# KiCad board panel.kicad_pcb (continued)
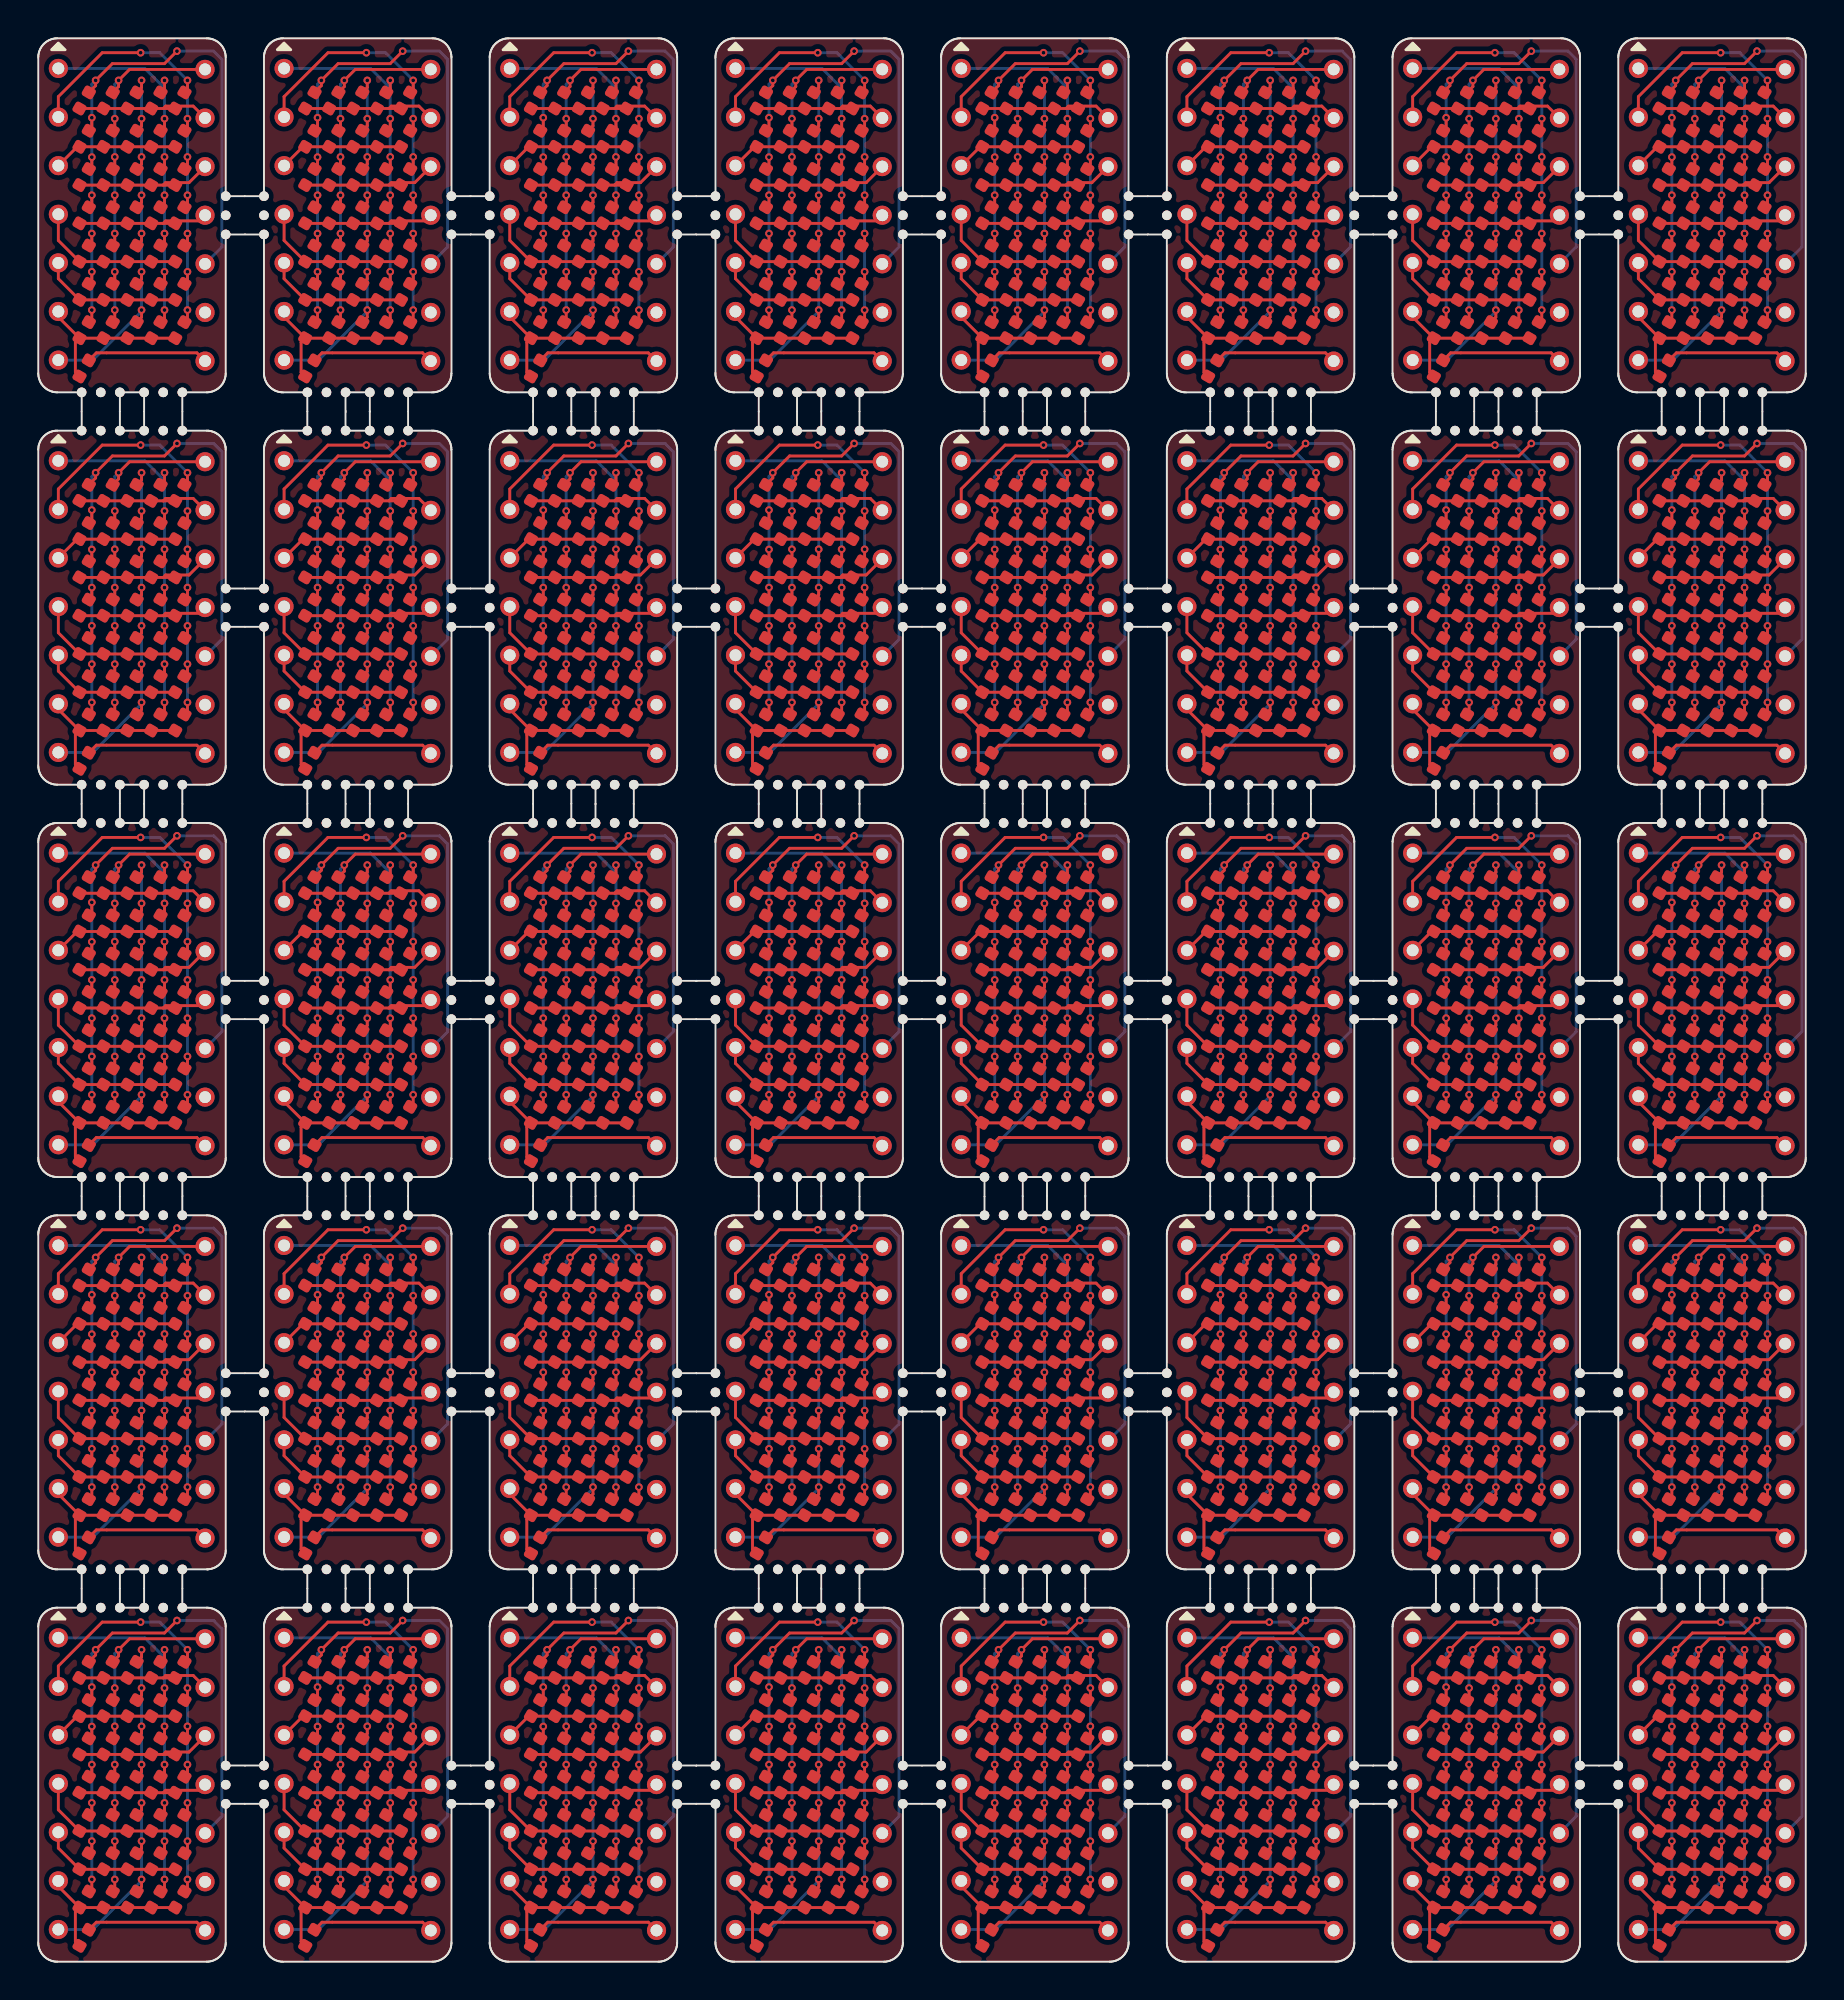
[diagram p0: board, top side]
## Placement (name value [footprint] x y rotation side) (continued)
KiKit_MB_134_3  -  [NPTH]  23.6 30.75 0 top
KiKit_MB_135_1  -  [NPTH]  33.4 30.75 0 top
KiKit_MB_135_2  -  [NPTH]  33.4 29.75 0 top
KiKit_MB_135_3  -  [NPTH]  33.4 28.75 0 top
KiKit_MB_136_1  -  [NPTH]  25.87 39 0 top
KiKit_MB_136_2  -  [NPTH]  26.87 39 0 top
KiKit_MB_136_3  -  [NPTH]  27.87 39 0 top
KiKit_MB_137_1  -  [NPTH]  29.13 39 0 top
KiKit_MB_137_2  -  [NPTH]  30.13 39 0 top
KiKit_MB_137_3  -  [NPTH]  31.13 39 0 top
KiKit_MB_138_1  -  [NPTH]  27.87 20.5 0 top
KiKit_MB_138_2  -  [NPTH]  26.87 20.5 0 top
KiKit_MB_138_3  -  [NPTH]  25.87 20.5 0 top
KiKit_MB_139_1  -  [NPTH]  31.13 20.5 0 top
KiKit_MB_139_2  -  [NPTH]  30.13 20.5 0 top
KiKit_MB_139_3  -  [NPTH]  29.13 20.5 0 top
KiKit_MB_140_1  -  [NPTH]  35.4 28.75 0 top
KiKit_MB_140_2  -  [NPTH]  35.4 29.75 0 top
KiKit_MB_140_3  -  [NPTH]  35.4 30.75 0 top
KiKit_MB_141_1  -  [NPTH]  45.2 30.75 0 top
KiKit_MB_141_2  -  [NPTH]  45.2 29.75 0 top
KiKit_MB_141_3  -  [NPTH]  45.2 28.75 0 top
KiKit_MB_142_1  -  [NPTH]  37.67 39 0 top
KiKit_MB_142_2  -  [NPTH]  38.67 39 0 top
KiKit_MB_142_3  -  [NPTH]  39.67 39 0 top
KiKit_MB_143_1  -  [NPTH]  40.93 39 0 top
KiKit_MB_143_2  -  [NPTH]  41.93 39 0 top
KiKit_MB_143_3  -  [NPTH]  42.93 39 0 top
KiKit_MB_144_1  -  [NPTH]  39.67 20.5 0 top
KiKit_MB_144_2  -  [NPTH]  38.67 20.5 0 top
KiKit_MB_144_3  -  [NPTH]  37.67 20.5 0 top
KiKit_MB_145_1  -  [NPTH]  42.93 20.5 0 top
KiKit_MB_145_2  -  [NPTH]  41.93 20.5 0 top
KiKit_MB_145_3  -  [NPTH]  40.93 20.5 0 top
KiKit_MB_146_1  -  [NPTH]  47.2 28.75 0 top
KiKit_MB_146_2  -  [NPTH]  47.2 29.75 0 top
KiKit_MB_146_3  -  [NPTH]  47.2 30.75 0 top
KiKit_MB_147_1  -  [NPTH]  57 30.75 0 top
KiKit_MB_147_2  -  [NPTH]  57 29.75 0 top
KiKit_MB_147_3  -  [NPTH]  57 28.75 0 top
KiKit_MB_148_1  -  [NPTH]  49.47 39 0 top
KiKit_MB_148_2  -  [NPTH]  50.47 39 0 top
KiKit_MB_148_3  -  [NPTH]  51.47 39 0 top
KiKit_MB_149_1  -  [NPTH]  52.73 39 0 top
KiKit_MB_149_2  -  [NPTH]  53.73 39 0 top
KiKit_MB_149_3  -  [NPTH]  54.73 39 0 top
KiKit_MB_150_1  -  [NPTH]  51.47 20.5 0 top
KiKit_MB_150_2  -  [NPTH]  50.47 20.5 0 top
KiKit_MB_150_3  -  [NPTH]  49.47 20.5 0 top
KiKit_MB_151_1  -  [NPTH]  54.73 20.5 0 top
KiKit_MB_151_2  -  [NPTH]  53.73 20.5 0 top
KiKit_MB_151_3  -  [NPTH]  52.73 20.5 0 top
KiKit_MB_152_1  -  [NPTH]  59 28.75 0 top
KiKit_MB_152_2  -  [NPTH]  59 29.75 0 top
KiKit_MB_152_3  -  [NPTH]  59 30.75 0 top
KiKit_MB_153_1  -  [NPTH]  68.8 30.75 0 top
KiKit_MB_153_2  -  [NPTH]  68.8 29.75 0 top
KiKit_MB_153_3  -  [NPTH]  68.8 28.75 0 top
KiKit_MB_154_1  -  [NPTH]  61.27 39 0 top
KiKit_MB_154_2  -  [NPTH]  62.27 39 0 top
KiKit_MB_154_3  -  [NPTH]  63.27 39 0 top
KiKit_MB_155_1  -  [NPTH]  64.53 39 0 top
KiKit_MB_155_2  -  [NPTH]  65.53 39 0 top
KiKit_MB_155_3  -  [NPTH]  66.53 39 0 top
KiKit_MB_156_1  -  [NPTH]  63.27 20.5 0 top
KiKit_MB_156_2  -  [NPTH]  62.27 20.5 0 top
KiKit_MB_156_3  -  [NPTH]  61.27 20.5 0 top
KiKit_MB_157_1  -  [NPTH]  66.53 20.5 0 top
KiKit_MB_157_2  -  [NPTH]  65.53 20.5 0 top
KiKit_MB_157_3  -  [NPTH]  64.53 20.5 0 top
KiKit_MB_158_1  -  [NPTH]  70.8 28.75 0 top
KiKit_MB_158_2  -  [NPTH]  70.8 29.75 0 top
KiKit_MB_158_3  -  [NPTH]  70.8 30.75 0 top
KiKit_MB_159_1  -  [NPTH]  80.6 30.75 0 top
KiKit_MB_159_2  -  [NPTH]  80.6 29.75 0 top
KiKit_MB_159_3  -  [NPTH]  80.6 28.75 0 top
KiKit_MB_160_1  -  [NPTH]  73.07 39 0 top
KiKit_MB_160_2  -  [NPTH]  74.07 39 0 top
KiKit_MB_160_3  -  [NPTH]  75.07 39 0 top
KiKit_MB_161_1  -  [NPTH]  76.33 39 0 top
KiKit_MB_161_2  -  [NPTH]  77.33 39 0 top
KiKit_MB_161_3  -  [NPTH]  78.33 39 0 top
KiKit_MB_162_1  -  [NPTH]  75.07 20.5 0 top
KiKit_MB_162_2  -  [NPTH]  74.07 20.5 0 top
KiKit_MB_162_3  -  [NPTH]  73.07 20.5 0 top
KiKit_MB_163_1  -  [NPTH]  78.33 20.5 0 top
KiKit_MB_163_2  -  [NPTH]  77.33 20.5 0 top
KiKit_MB_163_3  -  [NPTH]  76.33 20.5 0 top
KiKit_MB_164_1  -  [NPTH]  82.6 28.75 0 top
KiKit_MB_164_2  -  [NPTH]  82.6 29.75 0 top
KiKit_MB_164_3  -  [NPTH]  82.6 30.75 0 top
KiKit_MB_165_1  -  [NPTH]  84.87 39 0 top
KiKit_MB_165_2  -  [NPTH]  85.87 39 0 top
KiKit_MB_165_3  -  [NPTH]  86.87 39 0 top
KiKit_MB_166_1  -  [NPTH]  88.13 39 0 top
KiKit_MB_166_2  -  [NPTH]  89.13 39 0 top
KiKit_MB_166_3  -  [NPTH]  90.13 39 0 top
KiKit_MB_167_1  -  [NPTH]  86.87 20.5 0 top
KiKit_MB_167_2  -  [NPTH]  85.87 20.5 0 top
KiKit_MB_167_3  -  [NPTH]  84.87 20.5 0 top
KiKit_MB_168_1  -  [NPTH]  90.13 20.5 0 top
KiKit_MB_168_2  -  [NPTH]  89.13 20.5 0 top
KiKit_MB_168_3  -  [NPTH]  88.13 20.5 0 top
KiKit_MB_169_1  -  [NPTH]  9.8 10.25 0 top
KiKit_MB_169_2  -  [NPTH]  9.8 9.25 0 top
KiKit_MB_169_3  -  [NPTH]  9.8 8.25 0 top
KiKit_MB_170_1  -  [NPTH]  2.27 18.5 0 top
KiKit_MB_170_2  -  [NPTH]  3.27 18.5 0 top
KiKit_MB_170_3  -  [NPTH]  4.27 18.5 0 top
KiKit_MB_171_1  -  [NPTH]  5.53 18.5 0 top
KiKit_MB_171_2  -  [NPTH]  6.53 18.5 0 top
KiKit_MB_171_3  -  [NPTH]  7.53 18.5 0 top
KiKit_MB_172_1  -  [NPTH]  11.8 8.25 0 top
KiKit_MB_172_2  -  [NPTH]  11.8 9.25 0 top
KiKit_MB_172_3  -  [NPTH]  11.8 10.25 0 top
KiKit_MB_173_1  -  [NPTH]  21.6 10.25 0 top
KiKit_MB_173_2  -  [NPTH]  21.6 9.25 0 top
KiKit_MB_173_3  -  [NPTH]  21.6 8.25 0 top
KiKit_MB_174_1  -  [NPTH]  14.07 18.5 0 top
KiKit_MB_174_2  -  [NPTH]  15.07 18.5 0 top
KiKit_MB_174_3  -  [NPTH]  16.07 18.5 0 top
KiKit_MB_175_1  -  [NPTH]  17.33 18.5 0 top
KiKit_MB_175_2  -  [NPTH]  18.33 18.5 0 top
KiKit_MB_175_3  -  [NPTH]  19.33 18.5 0 top
KiKit_MB_176_1  -  [NPTH]  23.6 8.25 0 top
KiKit_MB_176_2  -  [NPTH]  23.6 9.25 0 top
KiKit_MB_176_3  -  [NPTH]  23.6 10.25 0 top
KiKit_MB_177_1  -  [NPTH]  33.4 10.25 0 top
KiKit_MB_177_2  -  [NPTH]  33.4 9.25 0 top
KiKit_MB_177_3  -  [NPTH]  33.4 8.25 0 top
KiKit_MB_178_1  -  [NPTH]  25.87 18.5 0 top
KiKit_MB_178_2  -  [NPTH]  26.87 18.5 0 top
KiKit_MB_178_3  -  [NPTH]  27.87 18.5 0 top
KiKit_MB_179_1  -  [NPTH]  29.13 18.5 0 top
KiKit_MB_179_2  -  [NPTH]  30.13 18.5 0 top
KiKit_MB_179_3  -  [NPTH]  31.13 18.5 0 top
KiKit_MB_180_1  -  [NPTH]  35.4 8.25 0 top
KiKit_MB_180_2  -  [NPTH]  35.4 9.25 0 top
KiKit_MB_180_3  -  [NPTH]  35.4 10.25 0 top
KiKit_MB_181_1  -  [NPTH]  45.2 10.25 0 top
KiKit_MB_181_2  -  [NPTH]  45.2 9.25 0 top
KiKit_MB_181_3  -  [NPTH]  45.2 8.25 0 top
KiKit_MB_182_1  -  [NPTH]  37.67 18.5 0 top
KiKit_MB_182_2  -  [NPTH]  38.67 18.5 0 top
KiKit_MB_182_3  -  [NPTH]  39.67 18.5 0 top
KiKit_MB_183_1  -  [NPTH]  40.93 18.5 0 top
KiKit_MB_183_2  -  [NPTH]  41.93 18.5 0 top
KiKit_MB_183_3  -  [NPTH]  42.93 18.5 0 top
KiKit_MB_184_1  -  [NPTH]  47.2 8.25 0 top
KiKit_MB_184_2  -  [NPTH]  47.2 9.25 0 top
KiKit_MB_184_3  -  [NPTH]  47.2 10.25 0 top
KiKit_MB_185_1  -  [NPTH]  57 10.25 0 top
KiKit_MB_185_2  -  [NPTH]  57 9.25 0 top
KiKit_MB_185_3  -  [NPTH]  57 8.25 0 top
KiKit_MB_186_1  -  [NPTH]  49.47 18.5 0 top
KiKit_MB_186_2  -  [NPTH]  50.47 18.5 0 top
KiKit_MB_186_3  -  [NPTH]  51.47 18.5 0 top
KiKit_MB_187_1  -  [NPTH]  52.73 18.5 0 top
KiKit_MB_187_2  -  [NPTH]  53.73 18.5 0 top
KiKit_MB_187_3  -  [NPTH]  54.73 18.5 0 top
KiKit_MB_188_1  -  [NPTH]  59 8.25 0 top
KiKit_MB_188_2  -  [NPTH]  59 9.25 0 top
KiKit_MB_188_3  -  [NPTH]  59 10.25 0 top
KiKit_MB_189_1  -  [NPTH]  68.8 10.25 0 top
KiKit_MB_189_2  -  [NPTH]  68.8 9.25 0 top
KiKit_MB_189_3  -  [NPTH]  68.8 8.25 0 top
KiKit_MB_190_1  -  [NPTH]  61.27 18.5 0 top
KiKit_MB_190_2  -  [NPTH]  62.27 18.5 0 top
KiKit_MB_190_3  -  [NPTH]  63.27 18.5 0 top
KiKit_MB_191_1  -  [NPTH]  64.53 18.5 0 top
KiKit_MB_191_2  -  [NPTH]  65.53 18.5 0 top
KiKit_MB_191_3  -  [NPTH]  66.53 18.5 0 top
KiKit_MB_192_1  -  [NPTH]  70.8 8.25 0 top
KiKit_MB_192_2  -  [NPTH]  70.8 9.25 0 top
KiKit_MB_192_3  -  [NPTH]  70.8 10.25 0 top
KiKit_MB_193_1  -  [NPTH]  80.6 10.25 0 top
KiKit_MB_193_2  -  [NPTH]  80.6 9.25 0 top
KiKit_MB_193_3  -  [NPTH]  80.6 8.25 0 top
KiKit_MB_194_1  -  [NPTH]  73.07 18.5 0 top
KiKit_MB_194_2  -  [NPTH]  74.07 18.5 0 top
KiKit_MB_194_3  -  [NPTH]  75.07 18.5 0 top
KiKit_MB_195_1  -  [NPTH]  76.33 18.5 0 top
KiKit_MB_195_2  -  [NPTH]  77.33 18.5 0 top
KiKit_MB_195_3  -  [NPTH]  78.33 18.5 0 top
KiKit_MB_196_1  -  [NPTH]  82.6 8.25 0 top
KiKit_MB_196_2  -  [NPTH]  82.6 9.25 0 top
KiKit_MB_196_3  -  [NPTH]  82.6 10.25 0 top
KiKit_MB_197_1  -  [NPTH]  84.87 18.5 0 top
KiKit_MB_197_2  -  [NPTH]  85.87 18.5 0 top
KiKit_MB_197_3  -  [NPTH]  86.87 18.5 0 top
KiKit_MB_198_1  -  [NPTH]  88.13 18.5 0 top
KiKit_MB_198_2  -  [NPTH]  89.13 18.5 0 top
KiKit_MB_198_3  -  [NPTH]  90.13 18.5 0 top

## Library data of the parts
D1 D1#2-D1#40 D2 D2#2-D2#40 D3 D3#2-D3#40 D4 D4#2-D4#40 D5 D5#2-D5#40 D6 D6#2-D6#40 D7 D7#2-D7#40 D8 D8#2-D8#40 D9 D9#2-D9#40 D10 D10#2-D10#40 D11 D11#2-D11#40 D12 D12#2-D12#40 D13 D13#2-D13#40 D14 D14#2-D14#40 D15 D15#2-D15#40 D16 D16#2-D16#40 D17 D17#2-D17#40 D18 D18#2-D18#40 D19 D19#2-D19#40 D20 D20#2-D20#40 D21 D21#2-D21#40 D22 D22#2-D22#40 D23 D23#2-D23#40 D24 D24#2-D24#40 D25 D25#2-D25#40 D26 D26#2-D26#40 D27 D27#2-D27#40 D28 D28#2-D28#40 D29 D29#2-D29#40 D30 D30#2-D30#40 D31 D31#2-D31#40 D32 D32#2-D32#40 D33 D33#2-D33#40 D34 D34#2-D34#40 D35 D35#2-D35#40 D36 D36#2-D36#40 = -: Description: Light emitting diode
J1 J1#2-J1#40 J2 J2#2-J2#40 = -: Description: Generic connector, single row, 01x07, script generated (kicad-library-utils/schlib/autogen/connector/)

## Footprints (pads in the part's own frame, mm; a bottom-side part is the same pattern mirrored in y, then rotated)
LED_0402_1005Metric
  rrect 0.59x0.64 smd: 1(-0.485,0) 2(0.485,0)
NPTH
  round 0.5 hole 0.5 unplated: (0,0)
PinHeader_1x07_P2.54mm_Vertical
  round 1 hole 0.625: 1(0,0) 2(0,-2.54) 3(0,-5.08) 4(0,-7.62) 5(0,-10.16) 6(0,-12.7) 7(0,-15.24)

## Nets
Board_0-C1: D1#23.2 D2#26.2 D3#26.2 D4#6.2 D5#17.2 D6#30.2 D7#14.2 J2#5.5
Board_0-C2: D9#12.2 D10#34.2 D11#32.2 D12#4.2 D13#13.2 D14#19.2 D15#9.2 J2#5.1
Board_0-C3: D16#3.2 D17#18.2 D18#11.2 D19#35.2 D20#14.2 D21#8.2 D22#31.2 J1#19.7
Board_0-C4: D23#40.2 D24#33.2 D25#33.2 D26#18.2 D27#3.2 D28#21.2 D29#18.2 J1#19.1
Board_0-C5: D30#8.2 D31#9.2 D32#3.2 D33#22.2 D34#37.2 D35#13.2 D36#15.2 J1#19.2
Board_0-DP: D8#5.2 J2#5.7
Board_0-R1: D1#23.1 D9#12.1 D16#3.1 D23#40.1 D30#8.1 J2#5.2
Board_0-R2: D2#26.1 D10#34.1 D17#18.1 D24#33.1 D31#9.1 J1#19.3
Board_0-R3: D3#26.1 D11#32.1 D18#11.1 D25#33.1 D32#3.1 J2#5.3
Board_0-R4: D4#6.1 D12#4.1 D19#35.1 D26#18.1 D33#22.1 J2#5.4
Board_0-R5: D5#17.1 D13#13.1 D20#14.1 D27#3.1 D34#37.1 J1#19.4
Board_0-R6: D6#30.1 D14#19.1 D21#8.1 D28#21.1 D35#13.1 J1#19.5
Board_0-R7: D7#14.1 D8#5.1 D15#9.1 D22#31.1 D29#18.1 D36#15.1 J1#19.6
Board_0-unconnected-(J2-Pin_6-Pad6): J2#5.6
Board_1-C1: D1#35.2 D2#20.2 D3#29.2 D4#13.2 D5#3.2 D6#38.2 D7#13.2 J2#40.5
Board_1-C2: D9#3.2 D10#39.2 D11#27.2 D12#33.2 D13#8.2 D14#22.2 D15#21.2 J2#40.1
Board_1-C3: D16#4.2 D17#6.2 D18#17.2 D19.2 D20#22.2 D21#30.2 D22#25.2 J1#20.7
Board_1-C4: D23#20.2 D24#32.2 D25#16.2 D26#22.2 D27#20.2 D28#25.2 D29#34.2 J1#20.1
Board_1-C5: D30#33.2 D31#8.2 D32#34.2 D33#23.2 D34#7.2 D35#3.2 D36#27.2 J1#20.2
Board_1-DP: D8#13.2 J2#40.7
Board_1-R1: D1#35.1 D9#3.1 D16#4.1 D23#20.1 D30#33.1 J2#40.2
Board_1-R2: D2#20.1 D10#39.1 D17#6.1 D24#32.1 D31#8.1 J1#20.3
Board_1-R3: D3#29.1 D11#27.1 D18#17.1 D25#16.1 D32#34.1 J2#40.3
Board_1-R4: D4#13.1 D12#33.1 D19.1 D26#22.1 D33#23.1 J2#40.4
Board_1-R5: D5#3.1 D13#8.1 D20#22.1 D27#20.1 D34#7.1 J1#20.4
Board_1-R6: D6#38.1 D14#22.1 D21#30.1 D28#25.1 D35#3.1 J1#20.5
Board_1-R7: D7#13.1 D8#13.1 D15#21.1 D22#25.1 D29#34.1 D36#27.1 J1#20.6
Board_1-unconnected-(J2-Pin_6-Pad6): J2#40.6
Board_2-C1: D1#4.2 D2#18.2 D3#2.2 D4#40.2 D5#11.2 D6#26.2 D7#29.2 J2#2.5
Board_2-C2: D9#23.2 D10.2 D11#16.2 D12#28.2 D13#14.2 D14#32.2 D15.2 J2#2.1
Board_2-C3: D16#26.2 D17#13.2 D18#15.2 D19#37.2 D20#8.2 D21#17.2 D22#10.2 J1#23.7
Board_2-C4: D23#35.2 D24#3.2 D25#31.2 D26#16.2 D27#17.2 D28#10.2 D29#21.2 J1#23.1
Board_2-C5: D30#29.2 D31.2 D32#7.2 D33#21.2 D34#40.2 D35#4.2 D36#28.2 J1#23.2
Board_2-DP: D8#17.2 J2#2.7
Board_2-R1: D1#4.1 D9#23.1 D16#26.1 D23#35.1 D30#29.1 J2#2.2
Board_2-R2: D2#18.1 D10.1 D17#13.1 D24#3.1 D31.1 J1#23.3
Board_2-R3: D3#2.1 D11#16.1 D18#15.1 D25#31.1 D32#7.1 J2#2.3
Board_2-R4: D4#40.1 D12#28.1 D19#37.1 D26#16.1 D33#21.1 J2#2.4
Board_2-R5: D5#11.1 D13#14.1 D20#8.1 D27#17.1 D34#40.1 J1#23.4
Board_2-R6: D6#26.1 D14#32.1 D21#17.1 D28#10.1 D35#4.1 J1#23.5
Board_2-R7: D7#29.1 D8#17.1 D15.1 D22#10.1 D29#21.1 D36#28.1 J1#23.6
Board_2-unconnected-(J2-Pin_6-Pad6): J2#2.6
Board_3-C1: D1#15.2 D2#35.2 D3#8.2 D4#23.2 D5#15.2 D6#12.2 D7#3.2 J2#36.5
Board_3-C2: D9#31.2 D10#36.2 D11#7.2 D12#9.2 D13#40.2 D14#37.2 D15#38.2 J2#36.1
Board_3-C3: D16#15.2 D17#14.2 D18#5.2 D19#21.2 D20#11.2 D21#21.2 D22#38.2 J1#31.7
Board_3-C4: D23#27.2 D24#2.2 D25.2 D26#15.2 D27#29.2 D28#35.2 D29#39.2 J1#31.1
Board_3-C5: D30#7.2 D31#26.2 D32#14.2 D33#29.2 D34#33.2 D35#29.2 D36#36.2 J1#31.2
Board_3-DP: D8#3.2 J2#36.7
Board_3-R1: D1#15.1 D9#31.1 D16#15.1 D23#27.1 D30#7.1 J2#36.2
Board_3-R2: D2#35.1 D10#36.1 D17#14.1 D24#2.1 D31#26.1 J1#31.3
Board_3-R3: D3#8.1 D11#7.1 D18#5.1 D25.1 D32#14.1 J2#36.3
Board_3-R4: D4#23.1 D12#9.1 D19#21.1 D26#15.1 D33#29.1 J2#36.4
Board_3-R5: D5#15.1 D13#40.1 D20#11.1 D27#29.1 D34#33.1 J1#31.4
Board_3-R6: D6#12.1 D14#37.1 D21#21.1 D28#35.1 D35#29.1 J1#31.5
Board_3-R7: D7#3.1 D8#3.1 D15#38.1 D22#38.1 D29#39.1 D36#36.1 J1#31.6
Board_3-unconnected-(J2-Pin_6-Pad6): J2#36.6
Board_4-C1: D1#10.2 D2#32.2 D3#18.2 D4#10.2 D5#19.2 D6#9.2 D7#17.2 J2#23.5
Board_4-C2: D9#36.2 D10#8.2 D11#34.2 D12#24.2 D13#19.2 D14#38.2 D15#12.2 J2#23.1
Board_4-C3: D16#33.2 D17#28.2 D18#35.2 D19#11.2 D20#34.2 D21#35.2 D22#36.2 J1#21.7
Board_4-C4: D23#16.2 D24#39.2 D25#21.2 D26#12.2 D27#10.2 D28#5.2 D29#23.2 J1#21.1
Board_4-C5: D30#19.2 D31#21.2 D32#20.2 D33#25.2 D34#18.2 D35#10.2 D36#8.2 J1#21.2
Board_4-DP: D8#39.2 J2#23.7
Board_4-R1: D1#10.1 D9#36.1 D16#33.1 D23#16.1 D30#19.1 J2#23.2
Board_4-R2: D2#32.1 D10#8.1 D17#28.1 D24#39.1 D31#21.1 J1#21.3
Board_4-R3: D3#18.1 D11#34.1 D18#35.1 D25#21.1 D32#20.1 J2#23.3
Board_4-R4: D4#10.1 D12#24.1 D19#11.1 D26#12.1 D33#25.1 J2#23.4
Board_4-R5: D5#19.1 D13#19.1 D20#34.1 D27#10.1 D34#18.1 J1#21.4
Board_4-R6: D6#9.1 D14#38.1 D21#35.1 D28#5.1 D35#10.1 J1#21.5
Board_4-R7: D7#17.1 D8#39.1 D15#12.1 D22#36.1 D29#23.1 D36#8.1 J1#21.6
Board_4-unconnected-(J2-Pin_6-Pad6): J2#23.6
Board_5-C1: D1#14.2 D2#19.2 D3#17.2 D4#27.2 D5#18.2 D6#22.2 D7#6.2 J2#39.5
Board_5-C2: D9.2 D10#33.2 D11#22.2 D12#20.2 D13#33.2 D14#39.2 D15#27.2 J2#39.1
Board_5-C3: D16#40.2 D17#2.2 D18#36.2 D19#27.2 D20#20.2 D21#4.2 D22#11.2 J1#40.7
Board_5-C4: D23#18.2 D24#24.2 D25#12.2 D26#37.2 D27#19.2 D28.2 D29#19.2 J1#40.1
Board_5-C5: D30#16.2 D31#2.2 D32#8.2 D33#9.2 D34#17.2 D35#27.2 D36#38.2 J1#40.2
Board_5-DP: D8#8.2 J2#39.7
Board_5-R1: D1#14.1 D9.1 D16#40.1 D23#18.1 D30#16.1 J2#39.2
Board_5-R2: D2#19.1 D10#33.1 D17#2.1 D24#24.1 D31#2.1 J1#40.3
Board_5-R3: D3#17.1 D11#22.1 D18#36.1 D25#12.1 D32#8.1 J2#39.3
Board_5-R4: D4#27.1 D12#20.1 D19#27.1 D26#37.1 D33#9.1 J2#39.4
Board_5-R5: D5#18.1 D13#33.1 D20#20.1 D27#19.1 D34#17.1 J1#40.4
Board_5-R6: D6#22.1 D14#39.1 D21#4.1 D28.1 D35#27.1 J1#40.5
Board_5-R7: D7#6.1 D8#8.1 D15#27.1 D22#11.1 D29#19.1 D36#38.1 J1#40.6
Board_5-unconnected-(J2-Pin_6-Pad6): J2#39.6
Board_6-C1: D1#12.2 D2#38.2 D3.2 D4#5.2 D5#21.2 D6#31.2 D7#20.2 J2#10.5
Board_6-C2: D9#21.2 D10#35.2 D11#39.2 D12#27.2 D13#21.2 D14#40.2 D15#23.2 J2#10.1
Board_6-C3: D16#28.2 D17#16.2 D18#7.2 D19#31.2 D20#37.2 D21#33.2 D22#18.2 J1#8.7
Board_6-C4: D23#17.2 D24#23.2 D25#18.2 D26#21.2 D27#9.2 D28#23.2 D29#13.2 J1#8.1
Board_6-C5: D30#18.2 D31#18.2 D32#37.2 D33#30.2 D34#31.2 D35#6.2 D36#37.2 J1#8.2
Board_6-DP: D8#37.2 J2#10.7
Board_6-R1: D1#12.1 D9#21.1 D16#28.1 D23#17.1 D30#18.1 J2#10.2
Board_6-R2: D2#38.1 D10#35.1 D17#16.1 D24#23.1 D31#18.1 J1#8.3
Board_6-R3: D3.1 D11#39.1 D18#7.1 D25#18.1 D32#37.1 J2#10.3
Board_6-R4: D4#5.1 D12#27.1 D19#31.1 D26#21.1 D33#30.1 J2#10.4
Board_6-R5: D5#21.1 D13#21.1 D20#37.1 D27#9.1 D34#31.1 J1#8.4
Board_6-R6: D6#31.1 D14#40.1 D21#33.1 D28#23.1 D35#6.1 J1#8.5
Board_6-R7: D7#20.1 D8#37.1 D15#23.1 D22#18.1 D29#13.1 D36#37.1 J1#8.6
Board_6-unconnected-(J2-Pin_6-Pad6): J2#10.6
Board_7-C1: D1#17.2 D2#39.2 D3#38.2 D4#34.2 D5#26.2 D6#21.2 D7#30.2 J2#13.5
Board_7-C2: D9#39.2 D10#22.2 D11#12.2 D12#29.2 D13#25.2 D14#14.2 D15#26.2 J2#13.1
Board_7-C3: D16#24.2 D17#32.2 D18#8.2 D19#17.2 D20#9.2 D21#14.2 D22#24.2 J1#32.7
Board_7-C4: D23#23.2 D24#6.2 D25#4.2 D26#32.2 D27#11.2 D28#26.2 D29#7.2 J1#32.1
Board_7-C5: D30#34.2 D31#11.2 D32#15.2 D33#26.2 D34#19.2 D35#38.2 D36#5.2 J1#32.2
Board_7-DP: D8#2.2 J2#13.7
Board_7-R1: D1#17.1 D9#39.1 D16#24.1 D23#23.1 D30#34.1 J2#13.2
Board_7-R2: D2#39.1 D10#22.1 D17#32.1 D24#6.1 D31#11.1 J1#32.3
Board_7-R3: D3#38.1 D11#12.1 D18#8.1 D25#4.1 D32#15.1 J2#13.3
Board_7-R4: D4#34.1 D12#29.1 D19#17.1 D26#32.1 D33#26.1 J2#13.4
Board_7-R5: D5#26.1 D13#25.1 D20#9.1 D27#11.1 D34#19.1 J1#32.4
Board_7-R6: D6#21.1 D14#14.1 D21#14.1 D28#26.1 D35#38.1 J1#32.5
Board_7-R7: D7#30.1 D8#2.1 D15#26.1 D22#24.1 D29#7.1 D36#5.1 J1#32.6
Board_7-unconnected-(J2-Pin_6-Pad6): J2#13.6
Board_8-C1: D1#30.2 D2#3.2 D3#15.2 D4#3.2 D5#12.2 D6#14.2 D7#32.2 J2#27.5
Board_8-C2: D9#14.2 D10#15.2 D11#30.2 D12#15.2 D13#24.2 D14#13.2 D15#32.2 J2#27.1
Board_8-C3: D16#18.2 D17#11.2 D18#38.2 D19#22.2 D20#39.2 D21#2.2 D22#12.2 J1#27.7
Board_8-C4: D23#25.2 D24#4.2 D25#2.2 D26#26.2 D27#25.2 D28#22.2 D29#27.2 J1#27.1
Board_8-C5: D30#39.2 D31#35.2 D32#22.2 D33#3.2 D34#15.2 D35#30.2 D36#23.2 J1#27.2
Board_8-DP: D8#31.2 J2#27.7
Board_8-R1: D1#30.1 D9#14.1 D16#18.1 D23#25.1 D30#39.1 J2#27.2
Board_8-R2: D2#3.1 D10#15.1 D17#11.1 D24#4.1 D31#35.1 J1#27.3
Board_8-R3: D3#15.1 D11#30.1 D18#38.1 D25#2.1 D32#22.1 J2#27.3
Board_8-R4: D4#3.1 D12#15.1 D19#22.1 D26#26.1 D33#3.1 J2#27.4
Board_8-R5: D5#12.1 D13#24.1 D20#39.1 D27#25.1 D34#15.1 J1#27.4
Board_8-R6: D6#14.1 D14#13.1 D21#2.1 D28#22.1 D35#30.1 J1#27.5
Board_8-R7: D7#32.1 D8#31.1 D15#32.1 D22#12.1 D29#27.1 D36#23.1 J1#27.6
Board_8-unconnected-(J2-Pin_6-Pad6): J2#27.6
Board_9-C1: D1#32.2 D2#17.2 D3#40.2 D4#24.2 D5#2.2 D6#6.2 D7#21.2 J2#32.5
Board_9-C2: D9#33.2 D10#7.2 D11#14.2 D12#22.2 D13#17.2 D14#33.2 D15#5.2 J2#32.1
Board_9-C3: D16#12.2 D17#19.2 D18#4.2 D19#30.2 D20#16.2 D21#15.2 D22#20.2 J1#5.7
Board_9-C4: D23#7.2 D24#17.2 D25#23.2 D26#4.2 D27#2.2 D28#11.2 D29#12.2 J1#5.1
Board_9-C5: D30#40.2 D31#5.2 D32#36.2 D33#31.2 D34.2 D35#26.2 D36#20.2 J1#5.2
Board_9-DP: D8#15.2 J2#32.7
Board_9-R1: D1#32.1 D9#33.1 D16#12.1 D23#7.1 D30#40.1 J2#32.2
Board_9-R2: D2#17.1 D10#7.1 D17#19.1 D24#17.1 D31#5.1 J1#5.3
Board_9-R3: D3#40.1 D11#14.1 D18#4.1 D25#23.1 D32#36.1 J2#32.3
Board_9-R4: D4#24.1 D12#22.1 D19#30.1 D26#4.1 D33#31.1 J2#32.4
Board_9-R5: D5#2.1 D13#17.1 D20#16.1 D27#2.1 D34.1 J1#5.4
Board_9-R6: D6#6.1 D14#33.1 D21#15.1 D28#11.1 D35#26.1 J1#5.5
Board_9-R7: D7#21.1 D8#15.1 D15#5.1 D22#20.1 D29#12.1 D36#20.1 J1#5.6
Board_9-unconnected-(J2-Pin_6-Pad6): J2#32.6
Board_10-C1: D1#31.2 D2#40.2 D3#22.2 D4#32.2 D5#16.2 D6#13.2 D7#18.2 J2#22.5
Board_10-C2: D9#38.2 D10#37.2 D11#2.2 D12#6.2 D13#37.2 D14#25.2 D15#19.2 J2#22.1
Board_10-C3: D16#39.2 D17#25.2 D18#25.2 D19#7.2 D20#32.2 D21#6.2 D22#40.2 J1#2.7
Board_10-C4: D23#12.2 D24#12.2 D25#39.2 D26#39.2 D27#35.2 D28#13.2 D29#17.2 J1#2.1
Board_10-C5: D30#31.2 D31#39.2 D32#29.2 D33#39.2 D34#30.2 D35#31.2 D36#34.2 J1#2.2
Board_10-DP: D8#22.2 J2#22.7
Board_10-R1: D1#31.1 D9#38.1 D16#39.1 D23#12.1 D30#31.1 J2#22.2
Board_10-R2: D2#40.1 D10#37.1 D17#25.1 D24#12.1 D31#39.1 J1#2.3
Board_10-R3: D3#22.1 D11#2.1 D18#25.1 D25#39.1 D32#29.1 J2#22.3
Board_10-R4: D4#32.1 D12#6.1 D19#7.1 D26#39.1 D33#39.1 J2#22.4
Board_10-R5: D5#16.1 D13#37.1 D20#32.1 D27#35.1 D34#30.1 J1#2.4
Board_10-R6: D6#13.1 D14#25.1 D21#6.1 D28#13.1 D35#31.1 J1#2.5
Board_10-R7: D7#18.1 D8#22.1 D15#19.1 D22#40.1 D29#17.1 D36#34.1 J1#2.6
Board_10-unconnected-(J2-Pin_6-Pad6): J2#22.6
Board_11-C1: D1#40.2 D2#6.2 D3#19.2 D4#22.2 D5#34.2 D6#28.2 D7#31.2 J2#26.5
Board_11-C2: D9#6.2 D10#23.2 D11#23.2 D12#2.2 D13#36.2 D14#16.2 D15#35.2 J2#26.1
Board_11-C3: D16#14.2 D17#31.2 D18#16.2 D19#16.2 D20#30.2 D21#40.2 D22#39.2 J1#24.7
Board_11-C4: D23#34.2 D24#38.2 D25#13.2 D26#5.2 D27#8.2 D28#6.2 D29#24.2 J1#24.1
Board_11-C5: D30#22.2 D31#17.2 D32#16.2 D33#18.2 D34#21.2 D35#36.2 D36#10.2 J1#24.2
Board_11-DP: D8#30.2 J2#26.7
Board_11-R1: D1#40.1 D9#6.1 D16#14.1 D23#34.1 D30#22.1 J2#26.2
Board_11-R2: D2#6.1 D10#23.1 D17#31.1 D24#38.1 D31#17.1 J1#24.3
Board_11-R3: D3#19.1 D11#23.1 D18#16.1 D25#13.1 D32#16.1 J2#26.3
Board_11-R4: D4#22.1 D12#2.1 D19#16.1 D26#5.1 D33#18.1 J2#26.4
Board_11-R5: D5#34.1 D13#36.1 D20#30.1 D27#8.1 D34#21.1 J1#24.4
Board_11-R6: D6#28.1 D14#16.1 D21#40.1 D28#6.1 D35#36.1 J1#24.5
Board_11-R7: D7#31.1 D8#30.1 D15#35.1 D22#39.1 D29#24.1 D36#10.1 J1#24.6
Board_11-unconnected-(J2-Pin_6-Pad6): J2#26.6
Board_12-C1: D1.2 D2#29.2 D3#25.2 D4#39.2 D5.2 D6#36.2 D7#22.2 J2#34.5
Board_12-C2: D9#8.2 D10#18.2 D11#6.2 D12#37.2 D13#39.2 D14#36.2 D15#36.2 J2#34.1
Board_12-C3: D16#11.2 D17#29.2 D18.2 D19#8.2 D20#38.2 D21#38.2 D22#5.2 J1#38.7
Board_12-C4: D23#10.2 D24#11.2 D25#32.2 D26#36.2 D27#32.2 D28#24.2 D29#31.2 J1#38.1
Board_12-C5: D30#5.2 D31#3.2 D32#19.2 D33#11.2 D34#27.2 D35#5.2 D36#9.2 J1#38.2
Board_12-DP: D8#6.2 J2#34.7
Board_12-R1: D1.1 D9#8.1 D16#11.1 D23#10.1 D30#5.1 J2#34.2
Board_12-R2: D2#29.1 D10#18.1 D17#29.1 D24#11.1 D31#3.1 J1#38.3
Board_12-R3: D3#25.1 D11#6.1 D18.1 D25#32.1 D32#19.1 J2#34.3
Board_12-R4: D4#39.1 D12#37.1 D19#8.1 D26#36.1 D33#11.1 J2#34.4
Board_12-R5: D5.1 D13#39.1 D20#38.1 D27#32.1 D34#27.1 J1#38.4
Board_12-R6: D6#36.1 D14#36.1 D21#38.1 D28#24.1 D35#5.1 J1#38.5
Board_12-R7: D7#22.1 D8#6.1 D15#36.1 D22#5.1 D29#31.1 D36#9.1 J1#38.6
Board_12-unconnected-(J2-Pin_6-Pad6): J2#34.6
Board_13-C1: D1#9.2 D2#34.2 D3#12.2 D4#38.2 D5#33.2 D6#17.2 D7#11.2 J2#4.5
Board_13-C2: D9#40.2 D10#40.2 D11#25.2 D12#10.2 D13#2.2 D14#24.2 D15#33.2 J2#4.1
Board_13-C3: D16#6.2 D17#39.2 D18#2.2 D19#28.2 D20#2.2 D21#23.2 D22#29.2 J1#39.7
Board_13-C4: D23#33.2 D24#27.2 D25#29.2 D26#25.2 D27#38.2 D28#29.2 D29#29.2 J1#39.1
Board_13-C5: D30#9.2 D31#15.2 D32#11.2 D33#4.2 D34#35.2 D35#33.2 D36#11.2 J1#39.2
Board_13-DP: D8#20.2 J2#4.7
Board_13-R1: D1#9.1 D9#40.1 D16#6.1 D23#33.1 D30#9.1 J2#4.2
Board_13-R2: D2#34.1 D10#40.1 D17#39.1 D24#27.1 D31#15.1 J1#39.3
Board_13-R3: D3#12.1 D11#25.1 D18#2.1 D25#29.1 D32#11.1 J2#4.3
Board_13-R4: D4#38.1 D12#10.1 D19#28.1 D26#25.1 D33#4.1 J2#4.4
Board_13-R5: D5#33.1 D13#2.1 D20#2.1 D27#38.1 D34#35.1 J1#39.4
Board_13-R6: D6#17.1 D14#24.1 D21#23.1 D28#29.1 D35#33.1 J1#39.5
Board_13-R7: D7#11.1 D8#20.1 D15#33.1 D22#29.1 D29#29.1 D36#11.1 J1#39.6
Board_13-unconnected-(J2-Pin_6-Pad6): J2#4.6
Board_14-C1: D1#36.2 D2#30.2 D3#27.2 D4#17.2 D5#23.2 D6#25.2 D7#38.2 J2#15.5
Board_14-C2: D9#22.2 D10#10.2 D11#9.2 D12#32.2 D13#18.2 D14#3.2 D15#16.2 J2#15.1
Board_14-C3: D16#35.2 D17#4.2 D18#22.2 D19#20.2 D20#13.2 D21#22.2 D22#27.2 J1#7.7
Board_14-C4: D23#14.2 D24#19.2 D25#6.2 D26#34.2 D27#40.2 D28#34.2 D29#16.2 J1#7.1
Board_14-C5: D30#17.2 D31#13.2 D32.2 D33#28.2 D34#20.2 D35#8.2 D36#30.2 J1#7.2
Board_14-DP: D8#19.2 J2#15.7
Board_14-R1: D1#36.1 D9#22.1 D16#35.1 D23#14.1 D30#17.1 J2#15.2
Board_14-R2: D2#30.1 D10#10.1 D17#4.1 D24#19.1 D31#13.1 J1#7.3
Board_14-R3: D3#27.1 D11#9.1 D18#22.1 D25#6.1 D32.1 J2#15.3
Board_14-R4: D4#17.1 D12#32.1 D19#20.1 D26#34.1 D33#28.1 J2#15.4
Board_14-R5: D5#23.1 D13#18.1 D20#13.1 D27#40.1 D34#20.1 J1#7.4
Board_14-R6: D6#25.1 D14#3.1 D21#22.1 D28#34.1 D35#8.1 J1#7.5
Board_14-R7: D7#38.1 D8#19.1 D15#16.1 D22#27.1 D29#16.1 D36#30.1 J1#7.6
Board_14-unconnected-(J2-Pin_6-Pad6): J2#15.6
Board_15-C1: D1#29.2 D2#21.2 D3#16.2 D4#14.2 D5#25.2 D6#32.2 D7#10.2 J2#7.5
Board_15-C2: D9#13.2 D10#21.2 D11#3.2 D12#3.2 D13#23.2 D14#11.2 D15#40.2 J2#7.1
Board_15-C3: D16#7.2 D17#10.2 D18#29.2 D19#38.2 D20#3.2 D21.2 D22#6.2 J1#11.7
Board_15-C4: D23#32.2 D24#36.2 D25#20.2 D26#2.2 D27#30.2 D28#8.2 D29#36.2 J1#11.1
Board_15-C5: D30.2 D31#14.2 D32#17.2 D33#34.2 D34#36.2 D35#20.2 D36.2 J1#11.2
Board_15-DP: D8#21.2 J2#7.7
Board_15-R1: D1#29.1 D9#13.1 D16#7.1 D23#32.1 D30.1 J2#7.2
Board_15-R2: D2#21.1 D10#21.1 D17#10.1 D24#36.1 D31#14.1 J1#11.3
Board_15-R3: D3#16.1 D11#3.1 D18#29.1 D25#20.1 D32#17.1 J2#7.3
Board_15-R4: D4#14.1 D12#3.1 D19#38.1 D26#2.1 D33#34.1 J2#7.4
Board_15-R5: D5#25.1 D13#23.1 D20#3.1 D27#30.1 D34#36.1 J1#11.4
Board_15-R6: D6#32.1 D14#11.1 D21.1 D28#8.1 D35#20.1 J1#11.5
Board_15-R7: D7#10.1 D8#21.1 D15#40.1 D22#6.1 D29#36.1 D36.1 J1#11.6
Board_15-unconnected-(J2-Pin_6-Pad6): J2#7.6
Board_16-C1: D1#6.2 D2#22.2 D3#9.2 D4#11.2 D5#10.2 D6#34.2 D7#23.2 J2.5
Board_16-C2: D9#29.2 D10#17.2 D11#37.2 D12#18.2 D13#30.2 D14#30.2 D15#2.2 J2.1
Board_16-C3: D16#8.2 D17#36.2 D18#6.2 D19#23.2 D20#6.2 D21#19.2 D22#2.2 J1#28.7
Board_16-C4: D23#15.2 D24#7.2 D25#5.2 D26#24.2 D27#16.2 D28#16.2 D29#22.2 J1#28.1
Board_16-C5: D30#37.2 D31#25.2 D32#40.2 D33#33.2 D34#6.2 D35#9.2 D36#39.2 J1#28.2
Board_16-DP: D8#34.2 J2.7
Board_16-R1: D1#6.1 D9#29.1 D16#8.1 D23#15.1 D30#37.1 J2.2
Board_16-R2: D2#22.1 D10#17.1 D17#36.1 D24#7.1 D31#25.1 J1#28.3
Board_16-R3: D3#9.1 D11#37.1 D18#6.1 D25#5.1 D32#40.1 J2.3
Board_16-R4: D4#11.1 D12#18.1 D19#23.1 D26#24.1 D33#33.1 J2.4
Board_16-R5: D5#10.1 D13#30.1 D20#6.1 D27#16.1 D34#6.1 J1#28.4
Board_16-R6: D6#34.1 D14#30.1 D21#19.1 D28#16.1 D35#9.1 J1#28.5
Board_16-R7: D7#23.1 D8#34.1 D15#2.1 D22#2.1 D29#22.1 D36#39.1 J1#28.6